# Altium PCB AMT5000-24.PcbDoc
Units mm, origin at the board's own origin, x right, y up, seen from the top; angles counter-clockwise.
Board outline 100 x 50 mm, 4 copper layers (Top Layer, Layer 2, Layer 3, Bottom Layer), stack 1.513 mm thick; 155 components, 72 nets, 404 pads, 48 vias.
Unrouted connection lines stored in the file: 319.
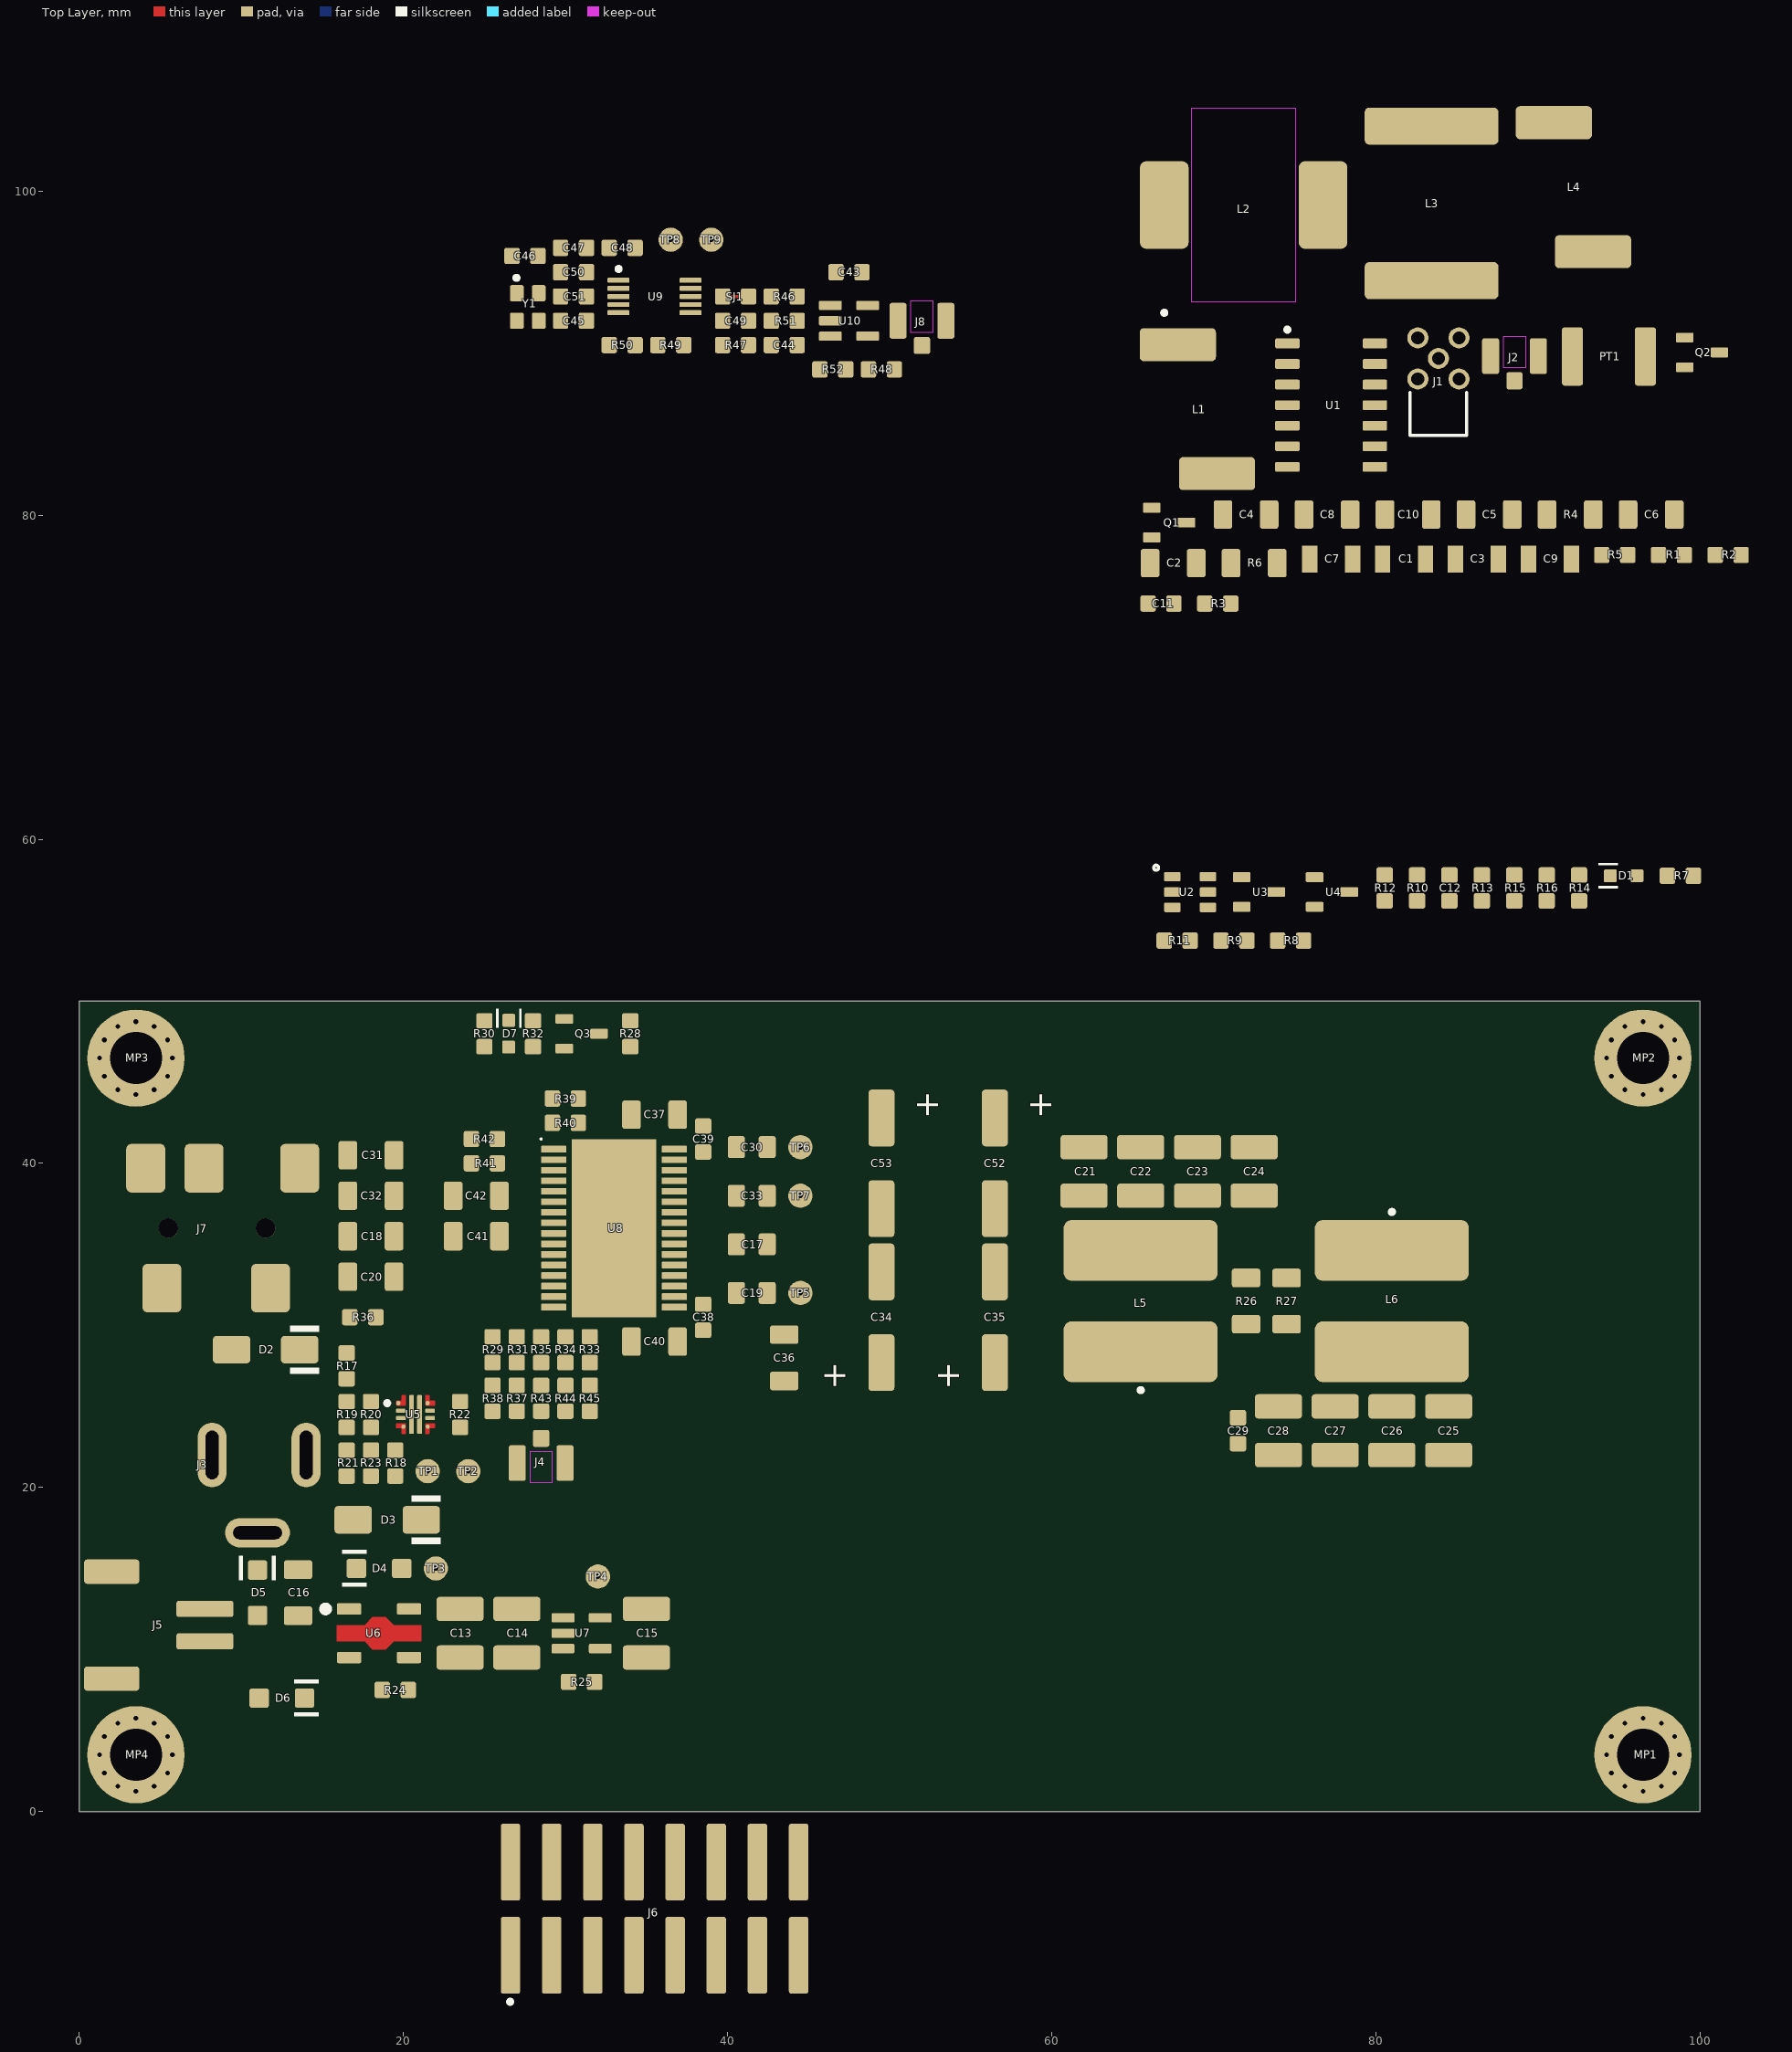
[diagram p0: Top Layer view]
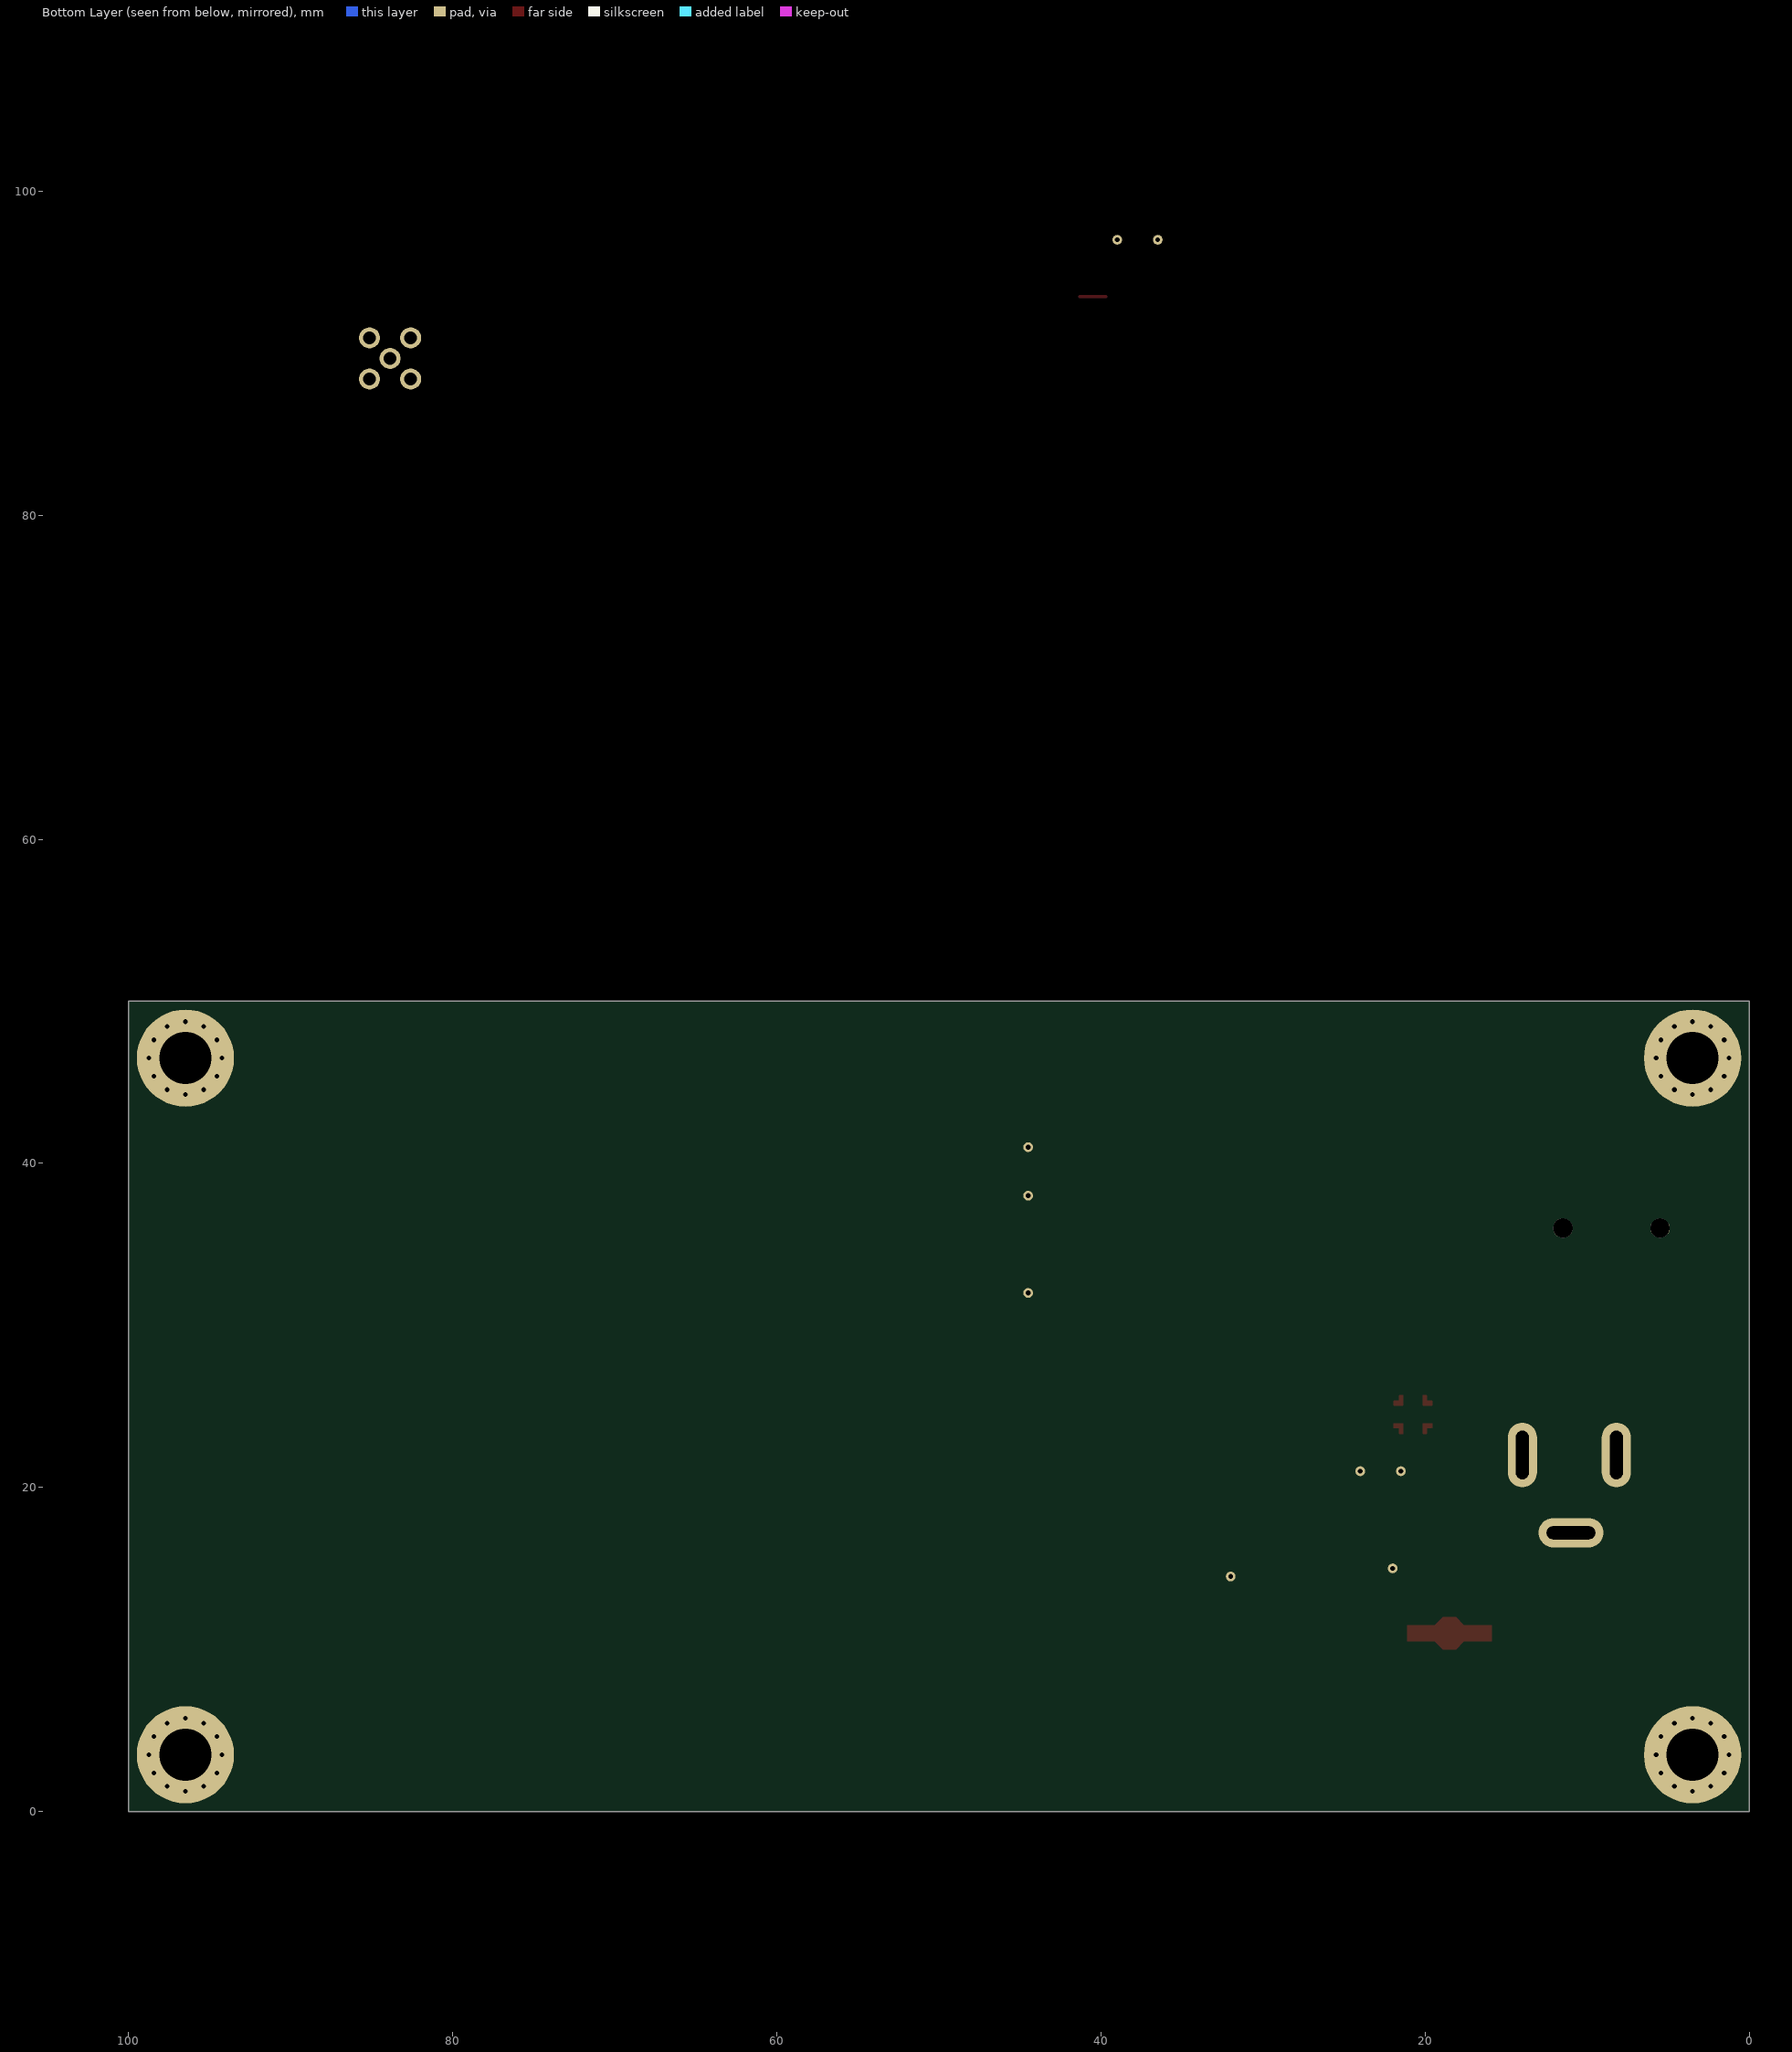
[diagram p1: Bottom Layer view, seen from below]

## Layer stack, top to bottom
Top Solder: solder mask 0.0254, SM-001, Dk 4
Top Layer: signal copper 0.035
Dielectric 2: prepreg 0.2083, PP-022, Dk 4.5
Layer 2: signal copper 0.018
Dielectric 3: core 0.9906, Core-042, Dk 4.6
Layer 3: signal copper 0.018
Dielectric 5: prepreg 0.2083, PP-022, Dk 4.5
Bottom Layer: signal copper 0.035
Bottom Solder: solder mask 0.0254, SM-001, Dk 4

## Board outline
0,0 0,50 100,50 100,0

## Design rules (kind name [scope] priority, off if disabled: settings)
BoardOutlineClearance [All] p1: gap=0.5 ignorepadtopadclearanceinfootprint=FALSE
Clearance Clearance_NPTH [(HoleDiameter > 0) and (PadIsPlated = 'False') vs IsElectrical = 'True'] p1: gap=0.2 ignorepadtopadclearanceinfootprint=FALSE
Clearance Clearance_Keepout [IsKeepOut] p2: gap=0 ignorepadtopadclearanceinfootprint=FALSE
Clearance Clearance_LV [All] p3: gap=0.15 ignorepadtopadclearanceinfootprint=FALSE
ComponentClearance ComponentClearance_OVERLAP [InComponentClass('OVERLAP') vs InComponentClass('OVERLAP')] p1: gap=0 collisioncheckmode=3 verticalgap=0 showdistances=FALSE
ComponentClearance ComponentClearance_NT [HasFootprint('NT 0.3') or HasFootprint('NT 1')] p2: gap=0 collisioncheckmode=3 verticalgap=0 showdistances=FALSE
ComponentClearance ComponentClearance_mech [OnMechanical] p3 off: gap=0 collisioncheckmode=3 verticalgap=0 showdistances=FALSE
ComponentClearance ComponentClearance_TP [HasFootprint('TP_1MM') vs HasFootprint('TP_1MM')] p4: gap=0.05 collisioncheckmode=3 verticalgap=0 showdistances=FALSE
ComponentClearance [All] p5: gap=0.2 collisioncheckmode=3 verticalgap=0.2 showdistances=FALSE
Height [All] p1: minheight=0 maxheight=60 prefheight=12.7
HoleSize [All] p1: absolutevalues=TRUE maxlimit=5 minlimit=0.25 maxpercent=80.000 minpercent=20.000
HoleToHoleClearance [All] p1: gap=0.2 allowstackedmicrovias=TRUE
MinimumAnnularRing [All] p1: minimumring=0.125
MinimumSolderMaskSliver [All] p1: minsoldermaskwidth=0
PolygonConnect PolygonConnect_mounting [HoleDiameter > 2] p1: connectstyle=Direct reliefconductorwidth=0.254 reliefentries=4 polygonreliefangle="90 Angle" airgapwidth=0.254
PolygonConnect [All] p2: thpad.connectstyle=Relief thpad.reliefconductorwidth=0.254 thpad.reliefentries=4 thpad.polygonreliefangle="90 Angle" thpad.airgapwidth=0.254 smdpad.connectstyle=Relief smdpad.reliefconductorwidth=0.254 smdpad.reliefentries=4 smdpad.polygonreliefangle="90 Angle" smdpad.airgapwidth=0.254 via.connectstyle=Direct via.reliefconductorwidth=0.254 via.reliefentries=4 via.polygonreliefangle="90 Angle" via.airgapwidth=0.254
RoutingVias [All] p1: holewidth=0.3 width=0.6 viastyle="Through Hole" minholewidth=0.2 minwidth=0.4 maxholewidth=0.711 maxwidth=1.27
SilkToSilkClearance [All] p1: silktosilkclearance=0
SilkToSolderMaskClearance [IsPad] p1: minsilkscreentomaskgap=0 clearancetoexposedcopper=TRUE
SolderMaskExpansion [All] p1: expansion=0.125 istentingtop=FALSE
SupplyNets "Schematic Supply Nets_3" [InNet('VAA')] p1: voltage=0.000
SupplyNets "Schematic Supply Nets_2" [InNet('GND')] p2: voltage=0.000
SupplyNets "Schematic Supply Nets_1" [InNet('+5V')] p3: voltage=0.000
SupplyNets "Schematic Supply Nets" [InNet('+3.3V')] p4: voltage=0.000
UnRoutedNet [not InNet('NC')] p1: checkbadconnections=TRUE
Width [All] p1: maxlimit=6 minlimit=0.15 preferedwidth=0.2
22 further rules are at their usual default settings.

## Classes and differential pairs
component class U_transmitter: C1 C2 C3 C4 C5 C6 C7 C8 C9 C10 C11 C12 D1 J1 J2 L1 L2 L3 L4 PT1 Q1 Q2 R1 R2 R3 R4 R5 R6 R7 R8 R9 R10 R11 R12 R13 R14 R15 R16 U1 U2 U3 U4
component class U_Oscillator: C43 C44 C45 C46 C47 C48 C49 C50 C51 J8 R46 R47 R48 R49 R50 R51 R52 SJ1 TP8 TP9 U9 U10 Y1
component class U_Modulator: C17 C18 C19 C20 C21 C22 C23 C24 C25 C26 C27 C28 C29 C30 C31 C32 C33 C34 C35 C36 C37 C38 C39 C40 C41 C42 C52 C53 D7 J7 L5 L6 Q3 R26 R27 R28 R29 R30 R31 R32 R33 R34 R35 R36 R37 R38 R39 R40 R41 R42 R43 R44 R45 TP5 TP6 TP7 U8
component class Interface: C13 C14 C15 C16 D2 D3 D4 D5 D6 J3 J4 J5 J6 MP1 MP2 MP3 MP4 R17 R18 R19 R20 R21 R22 R23 R24 R25 TP1 TP2 TP3 TP4 U5 U6 U7

## Components (designator, comment, footprint, x,y, rotation, side; value= is the part's Value field where it differs from the comment)
C1 "Capacitor 33pF +/-5% 50V NP0 1206" 1206-C-L 81.75,77.296 r0 top value=33pF
C2 "Capacitor 150pF +/-5% 100V NP0 1206" 1206-C-N 67.5,77.046 r0 top value=150pF
C3 "Capacitor 680pF +/-5% 100V NP0 1206" 1206-C-L 86.25,77.296 r0 top value=680pF
C4 "CC1206JKNPOCBN180" 1206-C-N 72,80.046 r0 top value=18pF
C5 "Capacitor 100pF +/-5% 630V NP0 Class I 1206" 1206-C-N 87,80.046 r0 top value=100pF
C6 "Capacitor 150pF +/-5% 100V NP0 1206" 1206-C-N 97,80.046 r0 top value=150pF
C7 "Capacitor 470pF +/-5% 100V NP0 1206" 1206-C-L 77.25,77.296 r0 top value=470pF
C8 "1206N820J102CT" 1206-C-N 77,80.046 r0 top value=82pF
C9 "Capacitor 470pF +/-5% 100V NP0 1206" 1206-C-L 90.75,77.296 r0 top value=470pF
C10 "1206N820J102CT" 1206-C-N 82,80.046 r0 top value=82pF
C11 "Capacitor 100nF +/-10% 50V X7R 0603" 0603-C-N 66.75,74.546 r0 top value=100nF
C12 "Capacitor 100nF +/-10% 50V X7R 0603" 0603-C-N 84.55,56.996 r90 top value=100nF
C13 "Capacitor 10µF +/-10% 16V X7R 1210" WCAP-CSGP_1210_L3.2W2.5H2 23.5,11 r90 top value=10µF
C14 "Capacitor 10µF +/-10% 16V X7R 1210" WCAP-CSGP_1210_L3.2W2.5H2 27,11 r90 top value=10µF
C15 "Capacitor 10µF +/-10% 16V X7R 1210" WCAP-CSGP_1210_L3.2W2.5H2 35,11 r90 top value=10µF
C16 "Capacitor 1µF +/-10% 50V X7R 1206" 1206-C-N 13.5,13.5 r90 top value=1µF
C17 "Capacitor 220nF +/-10% 50V X7R 0805" 0805-C-N 41.5,35 r0 top value=220nF
C18 "Capacitor 1µF +/-10% 50V X7R 1206" 1206-C-N 18,35.5 r180 top value=1µF
C19 "Capacitor 220nF +/-10% 50V X7R 0805" 0805-C-N 41.5,32 r0 top value=220nF
C20 "Capacitor 1µF +/-10% 50V X7R 1206" 1206-C-N 18,33 r180 top value=1µF
C21 "Capacitor 10µF +/-10% 50V X7R 1210" WCAP-CSGP_1210_L3.2W2.5H2.5 62,39.5 r270 top value=10µF
C22 "Capacitor 10µF +/-10% 50V X7R 1210" WCAP-CSGP_1210_L3.2W2.5H2.5 65.5,39.5 r270 top value=10µF
C23 "Capacitor 10µF +/-10% 50V X7R 1210" WCAP-CSGP_1210_L3.2W2.5H2.5 69,39.5 r270 top value=10µF
C24 "Capacitor 10µF +/-10% 50V X7R 1210" WCAP-CSGP_1210_L3.2W2.5H2.5 72.5,39.5 r270 top value=10µF
C25 "Capacitor 10µF +/-10% 50V X7R 1210" WCAP-CSGP_1210_L3.2W2.5H2.5 84.5,23.5 r90 top value=10µF
C26 "Capacitor 10µF +/-10% 50V X7R 1210" WCAP-CSGP_1210_L3.2W2.5H2.5 81,23.5 r90 top value=10µF
C27 "Capacitor 10µF +/-10% 50V X7R 1210" WCAP-CSGP_1210_L3.2W2.5H2.5 77.5,23.5 r90 top value=10µF
C28 "Capacitor 10µF +/-10% 50V X7R 1210" WCAP-CSGP_1210_L3.2W2.5H2.5 74,23.5 r90 top value=10µF
C29 "Capacitor 1nF +/-10% 100V X7R 0603" 0603-C-N 71.5,23.5 r90 top value=1nF
C30 "Capacitor 220nF +/-10% 50V X7R 0805" 0805-C-N 41.5,41 r0 top value=220nF
C31 "Capacitor 1µF +/-10% 50V X7R 1206" 1206-C-N 18,40.5 r180 top value=1µF
C32 "Capacitor 1µF +/-10% 50V X7R 1206" 1206-C-N 18,38 r180 top value=1µF
C33 "Capacitor 220nF +/-10% 50V X7R 0805" 0805-C-N 41.5,38 r0 top value=220nF
C34 "875585545003" WCAP-HSAH_D6.3H7.7 49.5,30.5 r90 top
C35 "875585545003" WCAP-HSAH_D6.3H7.7 56.5,30.5 r90 top
C36 "Capacitor 1µF +/-10% 50V X7R 1206" 1206-C-N 43.5,28 r270 top value=1µF
C37 "Capacitor 1µF +/-10% 50V X7R 1206" 1206-C-N 35.5,43 r180 top value=1µF
C38 "Capacitor 1nF +/-10% 100V X7R 0603" 0603-C-N 38.5,30.5 r90 top value=1nF
C39 "Capacitor 1nF +/-10% 100V X7R 0603" 0603-C-N 38.5,41.5 r270 top value=1nF
C40 "Capacitor 1µF +/-10% 50V X7R 1206" 1206-C-N 35.5,29 r0 top value=1µF
C41 "Capacitor 1µF +/-10% 50V X7R 1206" 1206-C-N 24.5,35.5 r0 top value=1µF
C42 "Capacitor 1µF +/-10% 50V X7R 1206" 1206-C-N 24.5,38 r0 top value=1µF
C43 "Capacitor 100nF +/-10% 50V X7R 0603" 0603-C-N 47.5,95 r0 top value=100nF
C44 "Capacitor 10nF 50V NP0 0603" 0603-C-N 43.5,90.5 r0 top value=10nF
C45 "Capacitor 10nF 50V NP0 0603" 0603-C-N 30.5,92 r0 top value=10nF
C46 "Capacitor 100nF +/-10% 50V X7R 0603" 0603-C-N 27.5,96 r180 top value=100nF
C47 "Capacitor 10nF 50V NP0 0603" 0603-C-N 30.5,96.5 r0 top value=10nF
C48 "Capacitor 100nF +/-10% 50V X7R 0603" 0603-C-N 33.5,96.5 r180 top value=100nF
C49 "Capacitor 100nF +/-10% 50V X7R 0603" 0603-C-N 40.5,92 r180 top value=100nF
C50 "Capacitor 10nF 50V NP0 0603" 0603-C-N 30.5,95 r0 top value=10nF
C51 "Capacitor 10nF 50V NP0 0603" 0603-C-N 30.5,93.5 r0 top value=10nF
C52 "875585545003" WCAP-HSAH_D6.3H7.7 56.5,40 r270 top
C53 "875585545003" WCAP-HSAH_D6.3H7.7 49.5,40 r270 top
D1 "150060RS86000" WL-SMCW_0603_150060xx8x000 95.3,57.746 r0 top
D2 "SMAJ12A" DO-214AC_UNI 11.5,28.5 r180 top value=12V
D3 "SMAJ12A" DO-214AC_UNI 19,18 r180 top value=12V
D4 "PMEG10020ELRX" FP-SOD123W-MFG 18.5,15 r0 top
D5 "PMEG10020ELRX" FP-SOD123W-MFG 11,13.5 r270 top
D6 "PMEG10020ELRX" FP-SOD123W-MFG 12.5,7 r180 top
D7 "150060RS86000" WL-SMCW_0603_150060xx8x000 26.5,48 r270 top
J1 "66011002111501" 66011002111501 83.87,89.676 r0 top value=MMCX
J2 "U.FL-R-SMT(10)" HRS-U.FL-R-SMT_V 88.565,89.821 r0 top value=U.FL
J3 "694106301002" 694106301002 7.65,22 r270 top
J4 "U.FL-R-SMT(10)" HRS-U.FL-R-SMT_V 28.5,21.5 r180 top value=U.FL
J5 "620102131822" 620102131822 6,11.5 r270 top
J6 "61231620621" 61231620621 35.5,-6 r90 top
J7 "SJ2-35863B1-SMT-TR" SJ2-35863B1-SMT-TR-Footprint-1 7.5,36 r0 top value="3.5mm audio jack"
J8 "U.FL-R-SMT(10)" HRS-U.FL-R-SMT_V 52,92 r0 top value=U.FL
L1 "744918238" WE-CAIR_5910 69,86.546 r90 top
L2 "784771047" WE-PDA_1260 71.85,99.146 r0 top
L3 "2929SQ-331GEC" IND_2929SQ-331 83.45,99.246 r90 top value=330nH
L4 "744918238" WE-CAIR_5910 92.2,100.246 r90 top
L5 "744776139" WE-PD2_1054 65.5,31.5 r90 top
L6 "744776139" WE-PD2_1054 81,31.5 r270 top
MP1 "MountingHole" PTH-M3D6.5_VIA-RING 96.5,3.5 r0 top
MP2 "MountingHole" PTH-M3D6.5_VIA-RING 96.5,46.5 r0 top
MP3 "MountingHole" PTH-M3D6.5_VIA-RING 3.5,46.5 r0 top
MP4 "MountingHole" PTH-M3D6.5_VIA-RING 3.5,3.5 r0 top
PT1 "GTCC23-750M-R01-2" GDT_4532 94.39,89.796 r0 top value=75V
Q1 "IRLML2060TRPBF" SOT-23-3-N 67.25,79.546 r0 top value=IRLML2060
Q2 "IRLML2060TRPBF" SOT-23-3-N 100.14,90.046 r0 top value=IRLML2060
Q3 "BC846BLT1G" SOT-23-3-N 31,48 r0 top
R1 "Jumper 0R <50 mOhm 1A 0603" 0603-R-N 98.25,77.546 r0 top value=0
R2 "Jumper 0R <50 mOhm 1A 0603" 0603-R-N 101.75,77.546 r0 top value=0
R3 "Jumper 0R <50 mOhm 1A 0603" 0603-R-N 70.25,74.546 r0 top value=0
R4 "CRG1206F1M0" 1206-R-N 92,80.046 r0 top value=1M
R5 "Jumper 0R <50 mOhm 1A 0603" 0603-R-N 94.75,77.546 r0 top value=0
R6 "Resistor 0.1R +/-1% 0.5W 1206" 1206-R-N 72.5,77.046 r0 top value=0.1
R7 "Resistor 10k +/-1% 50V 0603" 0603-R-N 98.8,57.746 r0 top value=10k
R8 "Resistor 10k +/-1% 50V 0603" 0603-R-N 74.75,53.746 r0 top value=10k
R9 "Resistor 68k +/-1% 50V 0603" 0603-R-N 71.25,53.746 r0 top value=68k
R10 "Resistor 10k +/-1% 50V 0603" 0603-R-N 82.55,56.996 r90 top value=10k
R11 "Resistor 10k +/-1% 50V 0603" 0603-R-N 67.75,53.746 r0 top value=10k
R12 "Resistor 1M +/-1% 50V 0603" 0603-R-N 80.55,56.996 r90 top value=1M
R13 "Resistor 15k +/-1% 50V 0603" 0603-R-N 86.55,56.996 r90 top value=15k
R14 "Resistor 68k +/-1% 50V 0603" 0603-R-N 92.55,56.996 r90 top value=68k
R15 "Resistor 330k +/-1% 50V 0603" 0603-R-N 88.55,56.996 r90 top value=330k
R16 "NCP18XH103F03RB" 0603-R-N 90.55,56.996 r90 top value=10k@25degC
R17 "ERJ-3EKF5603V" 0603-R-N 16.5,27.5 r90 top value=560k
R18 "Resistor 150k +/-1% 50V 0603" 0603-R-N 19.5,21.5 r90 top value=150k
R19 "RC0603FR-07270KL" 0603-R-N 16.5,24.5 r90 top value=270k
R20 "Resistor 220k 1% 0603 0.1W" 0603-R-N 18,24.5 r90 top value=220k
R21 "Resistor 68k +/-1% 50V 0603" 0603-R-N 16.5,21.5 r90 top value=68k
R22 "Resistor 5.6k +/-1% 0.1W 0603" 0603-R-N 23.5,24.5 r90 top value=5.6k
R23 "Resistor 47k +/-1% 50V 0603" 0603-R-N 18,21.5 r90 top value=47k
R24 "Resistor 10k +/-1% 50V 0603" 0603-R-N 19.5,7.5 r0 top value=10k
R25 "Resistor 10k +/-1% 50V 0603" 0603-R-N 31,8 r180 top value=10k
R26 "Jumper 0R <50 mOhm 2A 1206" 1206-R-N 72,31.5 r90 top value=0
R27 "Jumper 0R <50 mOhm 2A 1206" 1206-R-N 74.5,31.5 r270 top value=0
R28 "Resistor 150k +/-1% 50V 0603" 0603-R-N 34,48 r90 top value=150k
R29 "Jumper 0R <50 mOhm 1A 0603" 0603-R-N 25.5,28.5 r270 top value=0
R30 "Resistor 10k +/-1% 50V 0603" 0603-R-N 25,48 r270 top value=10k
R31 "Resistor 75k +/-1% 50V 0603" 0603-R-N 27,28.5 r90 top value=75k
R32 "Resistor 10k +/-1% 50V 0603" 0603-R-N 28,48 r90 top value=10k
R33 "Resistor 10k +/-1% 50V 0603" 0603-R-N 31.5,28.5 r270 top value=10k
R34 "Resistor 10k +/-1% 50V 0603" 0603-R-N 30,28.5 r270 top value=10k
R35 "Resistor 10k +/-1% 50V 0603" 0603-R-N 28.5,28.5 r270 top value=10k
R36 "Resistor 10R +/-1% 50V 0603" 0603-R-N 17.5,30.5 r180 top value=10
R37 "Resistor 47k +/-1% 50V 0603" 0603-R-N 27,25.5 r90 top value=47k
R38 "Jumper 0R <50 mOhm 1A 0603" 0603-R-N 25.5,25.5 r90 top value=0
R39 "Resistor 150k +/-1% 50V 0603" 0603-R-N 30,44 r180 top value=150k
R40 "Resistor 150k +/-1% 50V 0603" 0603-R-N 30,42.5 r180 top value=150k
R41 "Jumper 0R <50 mOhm 1A 0603" 0603-R-N 25,40 r0 top value=0
R42 "Jumper 0R <50 mOhm 1A 0603" 0603-R-N 25,41.5 r0 top value=0
R43 "Resistor 10k +/-1% 50V 0603" 0603-R-N 28.5,25.5 r270 top value=10k
R44 "Resistor 10k +/-1% 50V 0603" 0603-R-N 30,25.5 r270 top value=10k
R45 "Resistor 10k +/-1% 50V 0603" 0603-R-N 31.5,25.5 r270 top value=10k
R46 "Resistor 10k +/-1% 50V 0603" 0603-R-N 43.5,93.5 r0 top value=10k
R47 "Jumper 0R <50 mOhm 1A 0603" 0603-R-N 40.5,90.5 r180 top value=0
R48 "Jumper 0R <50 mOhm 1A 0603" 0603-R-N 49.5,89 r180 top value=0
R49 "Resistor 3.3k +/-1% 50V 0603" 0603-R-N 36.5,90.5 r180 top value=3.3k
R50 "Resistor 3.3k +/-1% 50V 0603" 0603-R-N 33.5,90.5 r0 top value=3.3k
R51 "Resistor 10k +/-1% 50V 0603" 0603-R-N 43.5,92 r180 top value=10k
R52 "Jumper 0R <50 mOhm 1A 0603" 0603-R-N 46.5,89 r0 top value=0
SJ1 "SJ-0603-1A" SJ_0603_1A 40.5,93.5 r180 top net-tie value=0
TP1 "Testpad with multiple sizes" TP_1.5mm_0.3mmHole 21.5,21 r0 top
TP2 "Testpad with multiple sizes" TP_1.5mm_0.3mmHole 24,21 r0 top
TP3 "Testpad with multiple sizes" TP_1.5mm_0.3mmHole 22,15 r0 top
TP4 "Testpad with multiple sizes" TP_1.5mm_0.3mmHole 32,14.5 r0 top
TP5 "Testpad with multiple sizes" TP_1.5mm_0.3mmHole 44.5,32 r0 top
TP6 "Testpad with multiple sizes" TP_1.5mm_0.3mmHole 44.5,41 r0 top
TP7 "Testpad with multiple sizes" TP_1.5mm_0.3mmHole 44.5,38 r0 top
TP8 "Testpad with multiple sizes" TP_1.5mm_0.3mmHole 36.5,97 r0 top
TP9 "Testpad with multiple sizes" TP_1.5mm_0.3mmHole 39,97 r0 top
U1 "MC74ACT08DR2G" SOIC14-N 77.25,86.796 r0 top value=74ACT08
U2 "TPS3808G01DBVR" SOT-23-6 68.55,56.746 r0 top
U3 "LM4041DIM3X-ADJ/NOPB" SOT-23-3-N 72.8,56.746 r0 top value=LM4041
U4 "LM4041DIM3X-ADJ/NOPB" SOT-23-3-N 77.3,56.746 r0 top value=LM4041
U5 "LM73100RPWR" VQFN-HR 20.75,24.5 r0 top
U6 "R1500H050B-T1-FE" SOT-89-MT5_N 18.5,11 r0 top
U7 "XC6220B331MR-G" SOT25-N 31,11 r0 top
U8 "TPA3128D2DAP" TSSOP28_PPad 33,36 r0 top
U9 "SI5351A-B-GTR" VSSOP10-N 35.5,93.5 r0 top
U10 "SN74LVC1G14DBVR" SOT25-N 47.5,92 r0 top value=74LVC1G14
Y1 "SX2T25.000B010J020S" WE-SPXO_IQXO-791 27.675,92.85 r270 top value="TCXO 25.0MHz"
